# KiCad board bd845-pwb.kicad_pcb (continued)
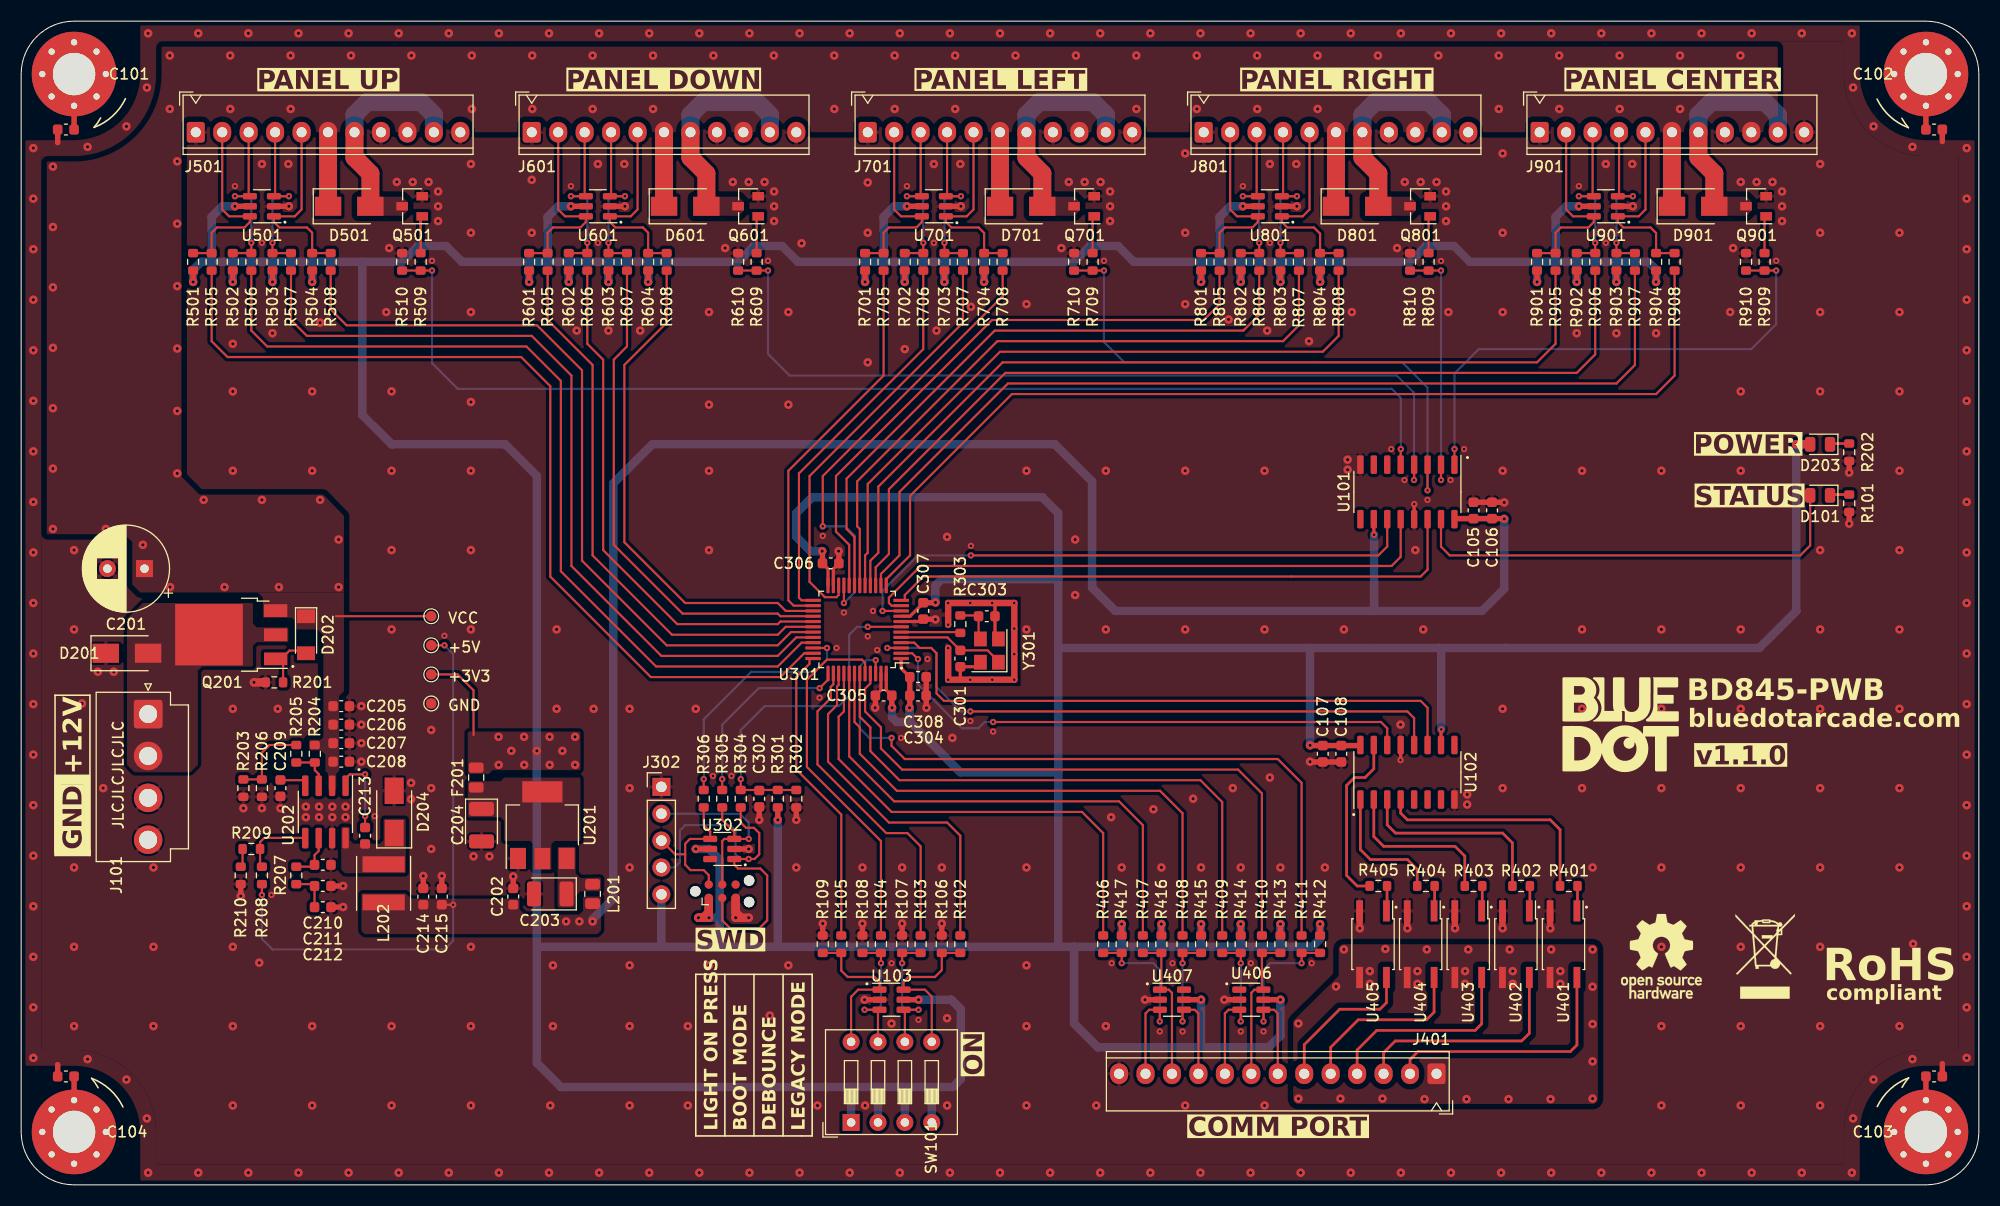
[diagram p0: board, top side]
## Nets
+3V3: C107.1 C108.1 C304.1 C305.1 C306.1 C307.1 C308.1 D203.2 F201.1 J301.1 J302.5 R301.1 R412.2 R413.2 R414.2 R415.2 R416.2 R417.2 R501.1 R502.1 R503.1 R504.1 R601.1 R602.1 R603.1 R604.1 R701.1 R702.1 R703.1 R704.1 R801.1 R802.1 R803.1 R804.1 R901.1 R902.1 R903.1 R904.1 SW101.1 SW101.2 SW101.3 SW101.4 TP203.1 U102.10 U102.16 U103.5 U301.1 U301.9 U301.24 U301.48 U302.5 U406.5 U407.5 U501.5 U601.5 U701.5 U801.5 U901.5
+5V: C105.1 C106.1 C202.1 C214.1 C215.1 L201.1 L202.2 R208.1 TP204.1 U101.10 U101.16
GND: C101.1 C102.1 C103.1 C104.1 C105.2 C106.2 C107.2 C108.2 C201.2 C202.2 C203.2 C204.2 C205.2 C206.2 C207.2 C208.2 C209.2 C210.2 C211.2 C212.2 C214.2 C215.2 C301.2 C302.2 C303.2 C304.2 C305.2 C306.2 C307.2 C308.2 D201.1 D204.2 J101.3 J101.4 J301.5 J302.1 J401.13 J501.1 J501.8 J501.11 J601.1 J601.8 J601.11 J701.1 J701.8 J701.11 J801.1 J801.8 J801.11 J901.1 J901.8 J901.11 Q501.2 Q601.2 Q701.2 Q801.2 Q901.2 R101.2 R106.2 R107.2 R108.2 R109.2 R201.2 R202.1 R203.2 R206.2 R210.2 R302.2 R510.1 R610.1 R710.1 R810.1 R910.1 TP202.1 U101.8 U101.13 U102.8 U102.13 U103.2 U201.1 U202.7 U301.8 U301.23 U301.47 U302.2 U401.2 U402.2 U403.2 U404.2 U405.2 U406.2 U407.2 U501.2 U601.2 U701.2 U801.2 U901.2 Y301.2 Y301.4
GND1: J401.1 U401.3 U402.3 U403.3 U404.3 U405.3
VCC: C201.1 C205.1 C206.1 C207.1 C208.1 D202.1 D501.1 D601.1 D701.1 D801.1 D901.1 J501.6 J501.9 J601.6 J601.9 J701.6 J701.9 J801.6 J801.9 J901.6 J901.9 Q201.3 R204.1 TP201.1 U202.2
/CH1_PAD: R401.1 U102.4
/CH1_S1: R505.1 U301.35
/CH1_S2: R506.1 U301.33
/CH1_S3: R507.1 U301.32
/CH1_S4: R508.1 U301.31
/CH2_PAD: R402.1 U102.3
/CH2_S1: R605.1 U301.30
/CH2_S2: R606.1 U301.29
/CH2_S3: R607.1 U301.28
/CH2_S4: R608.1 U301.27
/CH3_PAD: R403.1 U102.2
/CH3_S1: R705.1 U301.26
/CH3_S2: R706.1 U301.25
/CH3_S3: R707.1 U301.22
/CH3_S4: R708.1 U301.21
/CH4_PAD: R404.1 U102.1
/CH4_S1: R805.1 U301.20
/CH4_S2: R806.1 U301.19
/CH4_S3: R807.1 U301.18
/CH4_S4: R808.1 U301.17
/CH5_PAD: R405.1 U102.15
/CH5_S1: R905.1 U301.16
/CH5_S2: R906.1 U301.15
/CH5_S3: R907.1 U301.14
/CH5_S4: R908.1 U301.13
/Comm Channel/CH1_PAD_CONN: J401.2 U401.4
/Comm Channel/CH2_PAD_CONN: J401.3 U402.4
/Comm Channel/CH3_PAD_CONN: J401.4 U403.4
/Comm Channel/CH4_PAD_CONN: J401.5 U404.4
/Comm Channel/CH5_PAD_CONN: J401.6 U405.4
/Comm Channel/FL1_CONN: J401.7 R411.1 R412.1 U406.4
/Comm Channel/FL2_CONN: J401.8 R410.1 R413.1 U406.6
/Comm Channel/FL3_CONN: J401.9 R409.1 R414.1 U406.3
/Comm Channel/FL4_CONN: J401.10 R408.1 R415.1 U407.4
/Comm Channel/FL5_CONN: J401.11 R407.1 R416.1 U407.1
/Comm Channel/TEST_CONN: J401.12 R406.1 R417.1 U407.3
/COMM.FL1: R411.2 U301.46
/COMM.FL2: R410.2 U301.45
/COMM.FL3: R409.2 U301.43
/COMM.FL4: R408.2 U301.42
/COMM.FL5: R407.2 U301.41
/COMM.TEST: R406.2 U301.40
/LIGHT_CH1: R509.2 R510.2 U101.5
/LIGHT_CH2: R609.2 R610.2 U101.4
/LIGHT_CH3: R709.2 R710.2 U101.3
/LIGHT_CH4: R809.2 R810.2 U101.2
/LIGHT_CH5: R909.2 R910.2 U101.1
/LIGHTS_RCLK: U101.12 U301.11
/LIGHTS_SER: U101.14 U301.12
/LIGHTS_SRCLK: U101.11 U301.10
/MCU/CONN_NRST: J301.3 J302.4 R304.1 U302.1
/MCU/CONN_SWCLK: J301.4 J302.2 R305.1 U302.3
/MCU/CONN_SWDIO: J301.2 J302.3 R306.1 U302.4
/MCU/MCU_NRST: C302.1 R301.2 R302.1 R304.2 U301.7
/MCU/MCU_SWCLK: R305.2 U301.37
/MCU/MCU_SWDIO: R306.2 U301.34
/MCU/RCC_OSC_IN: C301.1 U301.5 Y301.1
/MCU/RCC_OSC_OUT: R303.1 U301.6
/OPT_BOOT0: R104.2 U301.44
/OPT_BOOT0_SW: R104.1 R108.1 SW101.7 U103.3
/OPT_DEBOUNCE: R103.2 U301.38
/OPT_DEBOUNCE_SW: R103.1 R107.1 SW101.6 U103.4
/OPT_LEGACY: R102.2 U301.39
/OPT_LEGACY_SW: R102.1 R106.1 SW101.5 U103.6
/OPT_LIGHT: R105.2 U301.36
/OPT_LIGHT_SW: R105.1 R109.1 SW101.8 U103.1
/Pad Channel 1/CH_LIGHT_CONN: D501.2 J501.7 J501.10 Q501.3
/Pad Channel 1/CH_S1_CONN: J501.2 R501.2 R505.2 U501.6
/Pad Channel 1/CH_S2_CONN: J501.3 R502.2 R506.2 U501.4
/Pad Channel 1/CH_S3_CONN: J501.4 R503.2 R507.2 U501.3
/Pad Channel 1/CH_S4_CONN: J501.5 R504.2 R508.2 U501.1
/Pad Channel 2/CH_LIGHT_CONN: D601.2 J601.7 J601.10 Q601.3
/Pad Channel 2/CH_S1_CONN: J601.2 R601.2 R605.2 U601.6
/Pad Channel 2/CH_S2_CONN: J601.3 R602.2 R606.2 U601.4
/Pad Channel 2/CH_S3_CONN: J601.4 R603.2 R607.2 U601.3
/Pad Channel 2/CH_S4_CONN: J601.5 R604.2 R608.2 U601.1
/Pad Channel 3/CH_LIGHT_CONN: D701.2 J701.7 J701.10 Q701.3
/Pad Channel 3/CH_S1_CONN: J701.2 R701.2 R705.2 U701.6
/Pad Channel 3/CH_S2_CONN: J701.3 R702.2 R706.2 U701.4
/Pad Channel 3/CH_S3_CONN: J701.4 R703.2 R707.2 U701.3
/Pad Channel 3/CH_S4_CONN: J701.5 R704.2 R708.2 U701.1
/Pad Channel 4/CH_LIGHT_CONN: D801.2 J801.7 J801.10 Q801.3
/Pad Channel 4/CH_S1_CONN: J801.2 R801.2 R805.2 U801.6
/Pad Channel 4/CH_S2_CONN: J801.3 R802.2 R806.2 U801.4
/Pad Channel 4/CH_S3_CONN: J801.4 R803.2 R807.2 U801.3
/Pad Channel 4/CH_S4_CONN: J801.5 R804.2 R808.2 U801.1
/Pad Channel 5/CH_LIGHT_CONN: D901.2 J901.7 J901.10 Q901.3
/Pad Channel 5/CH_S1_CONN: J901.2 R901.2 R905.2 U901.6
/Pad Channel 5/CH_S2_CONN: J901.3 R902.2 R906.2 U901.4
/Pad Channel 5/CH_S3_CONN: J901.4 R903.2 R907.2 U901.3
/Pad Channel 5/CH_S4_CONN: J901.5 R904.2 R908.2 U901.1
/PADS_RCLK: U102.12 U301.3
/PADS_SER: U102.14 U301.2
/PADS_SRCLK: U102.11 U301.4
/Power/BUCK_BOOT: C213.1 U202.1
/Power/BUCK_CP: C210.1 R207.1 U202.6
/Power/BUCK_EN: R204.2 R205.1 U202.3
/Power/BUCK_PH: C213.2 D204.1 L202.1 U202.8
/Power/BUCK_SS: C209.1 U202.4
/Power/BUCK_VSENSE: R208.2 R209.1 U202.5
/Power/EXT_VCC: D201.2 J101.1 J101.2 Q201.2
/Power/LDO_VI: C203.1 L201.2 U201.3
/Power/LDO_VO: C204.1 F201.2 U201.2
/Power/POWER_LED_K: D203.1 R202.2
/STATUS_LED_A: D101.2 U101.15
/STATUS_LED_K: D101.1 R101.1
Net-(C101-Pad2): C101.2 H101.1
Net-(C102-Pad2): C102.2 H102.1
Net-(C103-Pad2): C103.2 H103.1
Net-(C104-Pad2): C104.2 H104.1
Net-(C211-Pad1): C211.1 C212.1 R207.2
Net-(C303-Pad1): C303.1 R303.2 Y301.3
Net-(D202-A): D202.2 Q201.1 R201.1
Net-(Q501-G): Q501.1 R509.1
Net-(Q601-G): Q601.1 R609.1
Net-(Q701-G): Q701.1 R709.1
Net-(Q801-G): Q801.1 R809.1
Net-(Q901-G): Q901.1 R909.1
Net-(R203-Pad1): R203.1 R205.2 R206.1
Net-(R209-Pad2): R209.2 R210.1
Net-(R401-Pad2): R401.2 U401.1
Net-(R402-Pad2): R402.2 U402.1
Net-(R403-Pad2): R403.2 U403.1
Net-(R404-Pad2): R404.2 U404.1
Net-(R405-Pad2): R405.2 U405.1

Pads without a net: J301 6; U101 6 7 9; U102 5 6 7 9; U302 6; U406 1; U407 6

## Via types
v1: diameter 0.8, hole 0.3, F.Cu (Sig-Pwr-Gnd) to B.Cu  (Sig-Pwr-Gnd), 573 vias
v2: diameter 0.6, hole 0.25, F.Cu (Sig-Pwr-Gnd) to B.Cu  (Sig-Pwr-Gnd), 128 vias

## Routing (per net, layer and track width the routed paths; a pad name or vN(x,y) marks a point on that pad's centre or on a via; arc(x,y) is an arc through that point)
+3V3: length 811
  F.Cu (Sig-Pwr-Gnd) w0.203: TP203.1 41.25,48.25 42.75,46.75 42.75,42.5
  F.Cu (Sig-Pwr-Gnd) w0.3: U301.48 81.75,46.78 C305.1 ; C308.1 83.16,48.81 U301.1 ; C306.1 76.25,58.22 U301.24 ; U301.9 84,53.75 85.25,55 C307.1
  F.Cu (Sig-Pwr-Gnd) w0.305: U102.10 134.18,43.03 v2(134.2,43.05)
  F.Cu (Sig-Pwr-Gnd) w0.508: U103.5 v1(84.8,17.5) ; R801.1 v1(111.5,85.35) ; R904.1 v1(154.5,85.35) ; v1(75.7,59.9) 75.72,59.88 C306.1 ; v1(121.8,41.55) 121.82,41.53 C107.1 C108.1 126.5,41.53 U102.16 ; R804.1 v1(122.75,85.35) ; R601.1 v1(48,85.35) ; R503.1 v1(23.75,85.35) ; v1(83.95,45.1) 83.97,45.12 C304.1 C308.1 ; v1(86.4,55.05) 86.38,55.03 C307.1 ; U501.5 v1(20.2,92.5) ; R604.1 v1(59.25,85.35) ; R903.1 v1(150.75,85.35) ; R703.1 v1(87.25,85.35) ; R504.1 v1(27.5,85.35) ; R803.1 v1(119,85.35) ; R414.2 v1(115.25,24.65) ; R416.2 v1(107.75,24.65) ; R701.1 v1(79.75,85.35) ; R417.2 v1(104,24.65) ; R501.1 v1(16.25,85.35) ; U302.5 v1(63.75,31.75) ; R502.1 v1(20,85.35) ; R603.1 v1(55.5,85.35) ; R704.1 v1(91,85.35) ; R902.1 v1(147,85.35) ; R602.1 v1(51.75,85.35) ; U701.5 v1(83.7,92.5) ; R413.2 v1(119,24.65) ; C305.1 82.28,45.12 v1(82.3,45.1) ; U901.5 v1(147.2,92.5) ; R901.1 v1(143.25,85.35) ; R301.1 v1(71.5,34.5) ; U801.5 v1(115.45,92.5) ; R415.2 v1(111.5,24.65) ; U406.5 v1(119,17.5) ; R802.1 v1(115.25,85.35) ; U407.5 v1(111.5,17.5) ; U601.5 v1(51.95,92.5) ; R702.1 v1(83.5,85.35) ; R412.2 v1(122.75,24.65)
  F.Cu (Sig-Pwr-Gnd) w0.8: J301.1 64.98,26.25 ; 64.98,26.25 64.98,25.27 v1(65,25.25) v1(64,25.25) 64.45,25.25 64.98,25.78 64.98,26.25 ; D203.2 v1(167.75,70)
  B.Cu  (Sig-Pwr-Gnd) w0.8: 98,50.75 121.75,50.75 ; 98,50.75 98,57.25 ; 98,50.75 98,39 ; 121.75,50.75 134,50.75 ; 121.75,50.75 121.8,50.7 v1(121.8,41.55) ; 83.51,5.9 83.51,8.99 83.25,9.25 ; 150.75,87.25 v1(150.75,85.35) ; 150.75,87.25 153.75,87.25 154.5,86.5 v1(154.5,85.35) ; 150.75,87.25 147,87.25 ; 143.25,87.25 145,87.25 ; 143.25,87.25 136.9,87.25 135.4,88.75 132.75,88.75 131.25,87.25 122.8,87.25 ; 143.25,87.25 v1(143.25,85.35) ; 145,87.25 145,91.5 146,92.5 v1(147.2,92.5) ; 145,87.25 147,87.25 ; v1(75.7,59.9) 74.6,59.9 73.25,61.25 73.25,63.5 74.75,65 96.5,65 98,63.5 98,57.25 ; 18,87.25 17,87.25 16.25,86.5 v1(16.25,85.35) ; 18,87.25 20,87.25 ; 18,87.25 18,91.5 19,92.5 v1(20.2,92.5) ; 83.25,9.25 88.05,9.25 88.8,10 88.8,16.6 87.9,17.5 v1(84.8,17.5) ; 83.25,9.25 81,9.25 ; 23.75,87.25 27.5,87.25 ; 23.75,87.25 20,87.25 ; 23.75,87.25 v1(23.75,85.35) ; 27.5,87.25 v1(27.5,85.35) ; 27.5,87.25 32.25,87.25 ; 111.5,22.5 115.25,22.5 ; 111.5,22.5 107.75,22.5 ; 111.5,22.5 v1(111.5,24.65) ; 115.25,22.5 v1(115.25,24.65) ; 115.25,22.5 119,22.5 ; v1(119,24.65) 119,22.5 ; 119,22.5 122,22.5 122.75,23.25 v1(122.75,24.65) ; 147,87.25 v1(147,85.35) ; v1(51.75,85.35) 51.75,87 52,87.25 ; v1(119,17.5) 119,14.1 117.9,13 111.25,13 ; 107.75,22.5 104,22.5 ; 107.75,22.5 v1(107.75,24.65) ; v1(71.5,34.5) 71.5,22.5 ; 71.5,22.5 66,22.5 ; 71.5,22.5 98,22.5 ; 81.5,87.25 81.5,91.5 82.5,92.5 v1(83.7,92.5) ; 81.5,87.25 83.5,87.25 ; 81.5,87.25 79.75,87.25 ; 60.5,22.5 66,22.5 ; 60.5,22.5 J302.5 ; 60.5,22.5 48.75,22.5 ; 81,9.25 78.25,9.25 ; 81,9.25 80.97,9.22 80.97,5.9 ; 90.75,87.25 99.5,87.25 101,88.75 103.65,88.75 105.15,87.25 111.5,87.25 ; 90.75,87.25 87.25,87.25 ; 90.75,87.25 91,87 v1(91,85.35) ; 98,39 88.75,39 84,43.75 ; 98,39 98,22.5 ; 78.25,9.25 78.43,9.07 78.43,5.9 ; 78.25,9.25 51,9.25 48.73,11.52 v1(48.73,41.03) 48.73,67.02 45.75,70 35,70 32.25,72.75 32.25,87.25 ; 98,57.25 87,57.25 86.4,56.65 v1(86.4,55.05) ; 111.25,13 101.75,13 99.5,15.25 99.5,22.5 ; 111.25,13 111.5,13.25 v1(111.5,17.5) ; v1(104,24.65) 104,22.5 ; 104,22.5 99.5,22.5 ; v1(51.95,92.5) 50.75,92.5 49.75,91.5 49.75,87.25 ; 87.25,87.25 v1(87.25,85.35) ; 87.25,87.25 83.5,87.25 ; 32.25,87.25 36,87.25 37.5,88.75 40.15,88.75 41.65,87.25 48,87.25 ; v1(59.25,85.35) 59.25,87.25 ; 59.25,87.25 67.75,87.25 69.25,88.75 71.9,88.75 73.4,87.25 79.75,87.25 ; 59.25,87.25 55.5,87.25 ; 86.05,5.9 86.05,9.15 ; 134,50.75 164.25,50.75 167.75,54.25 v1(167.75,70) ; 134,50.75 134.2,50.55 v2(134.2,43.05) ; 83.5,87.25 v1(83.5,85.35) ; v1(83.95,45.1) 83.95,43.8 84,43.75 ; 52,87.25 55.5,87.25 ; 52,87.25 49.75,87.25 ; 55.5,87.25 v1(55.5,85.35) ; v1(20,85.35) 20,87.25 ; 99.5,22.5 98,22.5 ; v1(63.75,31.75) 65,31.75 66,30.75 66,25.25 ; 66,25.25 66,22.5 ; 66,25.25 v1(64,25.25) ; 84,43.75 82.75,43.75 82.3,44.2 v1(82.3,45.1) ; 119,87.25 122.8,87.25 ; 119,87.25 115.25,87.25 ; 119,87.25 v1(119,85.35) ; 122.8,87.25 122.75,87.2 v1(122.75,85.35) ; 65.25,25.25 v1(65,25.25) ; 48,87.25 49.75,87.25 ; 48,87.25 v1(48,85.35) ; v1(79.75,85.35) 79.75,87.25 ; v1(115.45,92.5) 114.25,92.5 113.25,91.5 113.25,87.25 ; 115.25,87.25 113.25,87.25 ; 115.25,87.25 v1(115.25,85.35) ; 111.5,87.25 v1(111.5,85.35) ; 111.5,87.25 113.25,87.25
  vias: v1(45.11,42.35) v1(45.12,39.7) v1(46.32,41.03) v1(47.53,42.35) v1(47.54,39.7) v1(49.94,42.35) v1(49.95,39.7) v1(51.14,41.03) v1(52.35,42.35) v1(52.35,39.7)
+5V: length 215.8
  F.Cu (Sig-Pwr-Gnd) w0.203: R208.1 v2(22.75,27.4) ; C215.1 v2(40.83,26.47) ; v2(40,51) TP204.1
  F.Cu (Sig-Pwr-Gnd) w0.305: U101.10 127.82,61.47 v2(127.85,61.45)
  F.Cu (Sig-Pwr-Gnd) w0.508: v1(140.15,62.95) 140.12,62.97 C106.1 C105.1 135.5,62.97 U101.16
  B.Cu  (Sig-Pwr-Gnd) w0.203: v2(40,51) 40.83,50.17 v2(40.83,26.47) 40.83,23.08 40,22.25 23.75,22.25 22.75,23.25 v2(22.75,27.4)
  B.Cu  (Sig-Pwr-Gnd) w0.8: v1(140.15,62.95) 140.15,56.35 138.05,54.25 127.85,54.25 ; 127.85,54.25 v2(127.85,61.45) ; 127.85,54.25 103.4,54.25 101.2,56.45 101.2,66.5 97.7,70 59.65,70 55.95,66.3 55.95,27.05 54,25.1 v1(54,24.9)
  vias: v1(51.5,24.9) v1(52.75,24.9)
GND: length 101.5
  F.Cu (Sig-Pwr-Gnd) w0.3: C306.2 76.75,58.22 U301.23 ; U301.8 85.03,53.25 C307.2 ; U301.47 81.25,46.78 C305.2
  F.Cu (Sig-Pwr-Gnd) w0.305: U101.13 131.63,64.33 v2(131.65,64.35) ; v2(130.35,40.15) 130.37,40.17 U102.13 ; 88.85,47.75 88.75,47.85 C301.2 90.22,48.97 Y301.4 ; 92.03,55 92.03,55 C303.2 92.03,51.92 Y301.2
  F.Cu (Sig-Pwr-Gnd) w0.508: U501.2 v1(25.3,92.5) ; v1(152.3,92.5) U901.2 ; C306.2 77.28,59.88 v1(77.25,59.9) ; v1(140.15,64.5) 140.12,64.53 C106.2 C105.2 ; U103.2 v1(79.7,17.5) ; C214.2 v1(38,29.2) ; C307.2 86.38,53.47 v1(86.4,53.45) ; v1(121.8,40) 121.82,39.97 C107.2 C108.2 ; C302.2 v1(69.75,34.5) ; C102.1 181.55,98.61 ; C305.2 80.72,45.12 v1(80.7,45.1) ; 3.45,11.35 3.45,11.35 C104.1 ; R106.2 v1(87,24.7) ; R107.2 v1(83.25,24.7) ; R108.2 v1(79.5,24.7) ; R210.2 v1(20.75,27.3) ; U302.2 v1(68.75,31.75) ; C308.2 C304.2 85.53,45.12 v1(85.55,45.1) ; R101.2 v1(172.75,62.5) ; C202.2 v1(46.5,29.15) ; C215.2 v1(39.75,29.2) ; 3.45,98.53 3.45,98.53 C101.1 ; C103.1 181.55,11.46 ; U407.2 v1(106.2,17.5) ; R109.2 v1(75.75,24.7) ; R202.1 v1(172.75,67.33) ; U406.2 v1(113.7,17.5) ; U701.2 v1(88.8,92.5) ; R302.2 v1(73.25,34.5) ; C212.2 30.42,26.25 v1(30.43,26.26) ; U801.2 v1(120.55,92.5) ; C211.2 v1(30.42,28.25) ; U601.2 v1(57.05,92.5)
  F.Cu (Sig-Pwr-Gnd) w0.6: U405.2 126.48,24.27 v1(126.5,24.25) ; v2(87.6,52.95) v2(87.6,55) v2(93.85,55) v2(93.85,47.75) v2(87.6,47.75) v2(87.6,50.75) ; U401.2 144.48,24.27 v1(144.5,24.25) ; v1(140,24.25) 139.98,24.27 U402.2 ; v1(131,24.25) 130.98,24.27 U404.2 ; U403.2 135.48,24.27 v1(135.5,24.25)
  F.Cu (Sig-Pwr-Gnd) w0.8: R201.2 v1(22,47.5) ; 68.05,25.25 67.52,25.78 J301.5 67.52,25.25 v1(67.53,25.25) v1(68.75,25.25)
  vias: v1(1.15,98) v1(1.15,93.22) v1(1.15,88.44) v1(1.15,83.67) v1(1.15,78.89) v1(1.15,74.11) v1(1.15,69.33) v1(1.15,64.56) v1(1.15,59.78) v1(1.15,55) v1(1.15,50.22) v1(1.15,45.44) v1(1.15,40.67) v1(1.15,35.89) v1(1.15,31.11) v1(1.15,26.33) v1(1.15,21.56) v1(1.15,16.78) v1(1.15,12) v1(5,60) v1(5,52.5) v1(5,30) v1(5,22.5) v1(5,15) v1(5.75,45.5) v1(6.27,98.12) v1(6.27,11.88) v1(7.25,48.5) v1(7.75,37.5) v1(8.75,48.5) v1(9.95,100.05) v1(9.95,9.95) v1(11.88,103.73) v1(11.88,6.27) v1(12,108.85) v1(12,1.15) v1(12.5,30) v1(12.5,22.5) v1(12.5,15) v1(16.74,108.85) v1(16.74,1.15) v1(20,79.5) v1(20,75) v1(20,67.5) v1(20,45) v1(20,22.5) v1(20,15) v1(20,7.5) v1(21,35.6) v1(21.47,108.85) v1(21.47,1.15) v1(22.5,21) v1(22.75,96.5) v1(22.75,35.6) v1(23.75,80.5) v1(24.25,45) v1(24.5,35.6) v1(25.25,96.5) v1(26.21,108.85) v1(26.21,1.15) v1(26.9,35.75) v1(26.9,34.75) v1(27.5,75) v1(27.5,67.5) v1(27.5,15) v1(27.5,7.5) v1(28.25,81.5) v1(28.15,35.75) v1(28.15,34.75) v1(29.4,35.75) v1(29.4,34.75) v1(30.65,35.75) v1(30.65,34.75) v1(30.94,108.85) v1(30.94,1.15) v1(32.15,45.25) v1(32.15,43.5) v1(32.15,41.75) v1(32.15,40) v1(34.5,82.5) v1(34.78,88.55) v1(35,75) v1(35,67.5) v1(35,60) v1(35,52.5) v1(35,15) v1(35,7.5) v1(35.5,94.8) v1(35.68,108.85) v1(35.68,1.15) v1(36.85,38) v1(36.85,36.45) v1(37,94.8) v1(38.5,94.8) v1(38.75,43) v1(38.75,37.5) v1(38.75,31.75) v1(39.4,93.9) v1(39.4,92.5) v1(39.4,91.1) v1(40.41,108.85) v1(40.41,1.15) v1(42.5,96.5) v1(42.5,90) v1(42.5,82.5) v1(42.5,74) v1(42.5,67.5) v1(42.5,60) v1(42.5,52.5) v1(42.5,22.5) v1(42.5,15) v1(42.5,7.5) v1(42.75,31.05) v1(44.25,31.05) v1(45.15,108.85) v1(45.15,1.15) v1(48.25,95) v1(48.25,90) v1(49.88,108.85) v1(49.88,1.15) v1(50,7.5) v1(50.25,20.75) v1(50.25,15) v1(50.6,52.5) v1(50.6,45) v1(52.5,80.75) v1(54.1,45) v1(54.5,96.5) v1(54.62,108.85) v1(54.62,1.15) v1(55.5,80.75) v1(57,96.5) v1(57.5,45) v1(57.5,37.5) v1(57.5,30) v1(57.5,20.75) v1(57.5,15) v1(57.5,7.5) v1(58.5,80.75) v1(59.35,108.85) v1(59.35,1.15) v1(63,15) v1(63,7.5) v1(63.75,45) v1(64.09,108.85) v1(64.09,1.15) v1(65,82.5) v1(65,73.75) v1(65,67.5) v1(65,60) v1(65,20.75) v1(66.53,88.55) v1(67.25,94.8) v1(68.82,108.85) v1(68.75,94.8) v1(68.82,1.15) v1(70.25,94.8) v1(70.75,16) v1(71.15,93.9) v1(71.15,92.5) v1(71.15,91.1) v1(72.5,82.5) v1(72.5,73.75) v1(72.5,20.75) v1(73.25,30) v1(73.56,108.85) v1(73.56,1.15) v1(73.75,89) v1(75.25,7.5) v1(78.29,108.85) v1(78.29,1.15) v1(79.5,30) v1(79.75,7.5) v1(80,94.75) v1(80,90) v1(80,77.75) v1(82.25,15.25) v1(83.03,108.85) v1(83.03,1.15) v1(83.25,30) v1(83.5,79) v1(86.25,96.5) v1(86.5,80.75) v1(87,30) v1(87.5,61.25) v1(87.5,15.75) v1(87.5,7.5) v1(87.76,108.85) v1(87.76,1.15) v1(88,42.25) v1(88.75,96.5) v1(89.75,83) v1(92.5,108.85) v1(92.5,1.15) v1(95,83.25) v1(95,67.5) v1(95,52.5) v1(95,30) v1(95,20.75) v1(95,15) v1(95,7.5) v1(97.24,108.85) v1(97.24,1.15) v1(98.3,88.55) v1(99,94.8) v1(99.6,61) v1(99.6,55.75) v1(100.5,94.8) v1(101.6,7.5) v1(101.97,108.85) v1(102,94.8) v1(101.97,1.15) v1(102.5,67.5) v1(102.5,52.5) v1(102.5,15) v1(102.9,93.9) v1(102.9,92.5) v1(102.9,91.1) v1(103,34.75) v1(104,30) v1(106.71,108.85) v1(106.71,1.15) v1(107,35.5) v1(107.75,30) v1(110,97.5) v1(110,90) v1(110,83.25) v1(110,67.5) v1(110,52.5) v1(110,7.5) v1(110.75,36.5) v1(111.44,108.85) v1(111.44,1.15) v1(111.5,30) v1(114.1,81.8) v1(114.5,37.5) v1(115.25,30) v1(116.18,108.85) v1(116.18,1.15) v1(117.5,67.5) v1(117.5,52.5) v1(117.5,7.5) v1(117.75,80.75) v1(118,96.5) v1(118,38.5) v1(119,30) v1(120.5,96.5) v1(120.91,108.85) v1(120.91,1.15) v1(121.7,79.75) v1(123.2,30) v1(125,52.5) v1(125.35,68.55) v1(125.35,67.6) v1(125.65,108.85) v1(125.65,1.15) v1(125.75,82.5) v1(130.03,88.55) v1(130.35,43.5) v1(130.38,108.85) v1(130.38,1.15) v1(130.75,94.8) v1(131.75,60) v1(132.25,94.8) v1(132.5,52.5) v1(133.75,94.8) v1(134.65,93.9) v1(134.65,92.5) v1(134.65,91.1) v1(134.88,82.5) v1(135.12,108.85) v1(135.12,1.15) v1(136.65,36.9) v1(136.65,35.95) v1(139.85,108.85) v1(139.85,1.15) v1(140,97.5) v1(140,90) v1(140,82.5) v1(140,67.5) v1(140,45) v1(140,37.5) v1(144.59,108.85) v1(144.59,1.15) v1(147,80.5) v1(147.5,67.5) v1(147.5,52.5) v1(147.5,45) v1(147.5,37.5) v1(148.5,30) v1(149.32,108.85) v1(149.32,1.15) v1(149.75,96.5) v1(150.75,80.5) v1(152.25,96.5) v1(154.06,108.85) v1(154.06,1.15) v1(154.5,80.5) v1(155,67.5) v1(155,52.5) v1(155,45) v1(155,37.5) v1(155,30) v1(155,22.5) v1(155,15) v1(155,7.5) v1(158.79,108.85) v1(158.79,1.15) v1(161.5,82.5) v1(161.78,88.55) v1(162.5,94.8) v1(162.5,75) v1(162.5,67.5) v1(162.5,52.5) v1(162.5,45) v1(162.5,37.5) v1(162.5,30) v1(162.5,22.5) v1(162.5,15) v1(162.5,7.5) v1(163.53,108.85) v1(163.53,1.15) v1(164,94.8) v1(165.5,94.8) v1(166.4,93.9) v1(166.4,92.5) v1(166.4,91.1) v1(168.26,108.85) v1(168.26,1.15) v1(170,96.5) v1(170,90) v1(170,82.5) v1(170,75) v1(170,60) v1(170,52.5) v1(170,45) v1(170,37.5) v1(170,30) v1(170,22.5) v1(170,15) v1(170,7.5) v1(173,108.85) v1(173,1.15) v1(173.12,103.73) v1(173.12,6.27) v1(175.05,100.05) v1(175.05,9.95) v1(177.5,90) v1(177.5,82.5) v1(177.5,75) v1(177.5,67.5) v1(177.5,60) v1(177.5,52.5) v1(177.5,45) v1(177.5,37.5) v1(177.5,30) v1(177.5,15) v1(178.73,98.12) v1(178.73,11.88) v1(178.79,22.78) v1(183.85,98) v1(183.85,93.22) v1(183.85,88.44) v1(183.85,83.67) v1(183.85,78.89) v1(183.85,74.11) v1(183.85,69.33) v1(183.85,64.56) v1(183.85,59.78) v1(183.85,55) v1(183.85,50.22) v1(183.85,45.44) v1(183.85,40.67) v1(183.85,35.89) v1(183.85,31.11) v1(183.85,26.33) v1(183.85,21.56) v1(183.85,16.78) v1(183.85,12) v2(20.2,94.4) v2(22.75,89.05) v2(23.65,27.4) v2(33.4,34.85) v2(38.83,87.35) v2(40,51.9) v2(51.95,94.4) v2(54.5,89.05) v2(65.38,38.65) v2(67.12,38.65) v2(70.58,87.35) v2(75.45,46.05) v2(75.75,61.35) v2(77.05,50.75) v2(77.75,54.1) v2(80,51.85) v2(80.5,54.25) v2(80.9,50.55) v2(82.25,20.95) v2(83.15,42.25) v2(83.7,94.4) v2(84.8,15.6) v2(85.65,49.7) v2(86.25,89.05) v2(89.68,55) v2(89.68,47.75) v2(89.7,43.85) v2(89.75,60.4) v2(91.77,55) v2(91.77,47.75) v2(91.85,42.85) v2(93.85,52.58) v2(93.85,50.17) v2(102.32,87.35) v2(103.05,20.95) v2(107.6,14.5) v2(108.8,20.95) v2(109.75,14.5) v2(115.25,14.5) v2(115.45,94.4) v2(116.2,20.95) v2(117.4,14.5) v2(118,89.05) v2(121.95,20.95) v2(129.47,69.55) v2(130.72,66.62) v2(132.9,64.75) v2(134.18,87.33) v2(135.07,66.62) v2(136.35,69.55) v2(147.2,94.4) v2(149.75,89.05) v2(165.85,87.35)
GND1:
  vias: v1(120.7,15.25) v1(120.7,8.15) v1(124.25,18.75) v1(124.67,8.15) v1(125,22.25) v1(127.45,20.2) v1(127.45,19) v1(128.64,8.15) v1(128.92,22.3) v1(131.95,20.2) v1(131.95,19) v1(132.61,8.1) v1(132.83,22.25) v1(136.45,20.2) v1(136.45,19) v1(136.59,8.1) v1(136.75,22.25) v1(140.56,8.1) v1(140.67,22.25) v1(140.95,20.2) v1(140.95,19) v1(144.53,8.1) v1(144.58,22.25) v1(145.45,20.2) v1(145.45,19) v1(148.5,22.25) v1(148.5,18.72) v1(148.5,15.2) v1(148.5,11.68) v1(148.5,8.15)
VCC: length 44
  F.Cu (Sig-Pwr-Gnd) w0.203: TP201.1 29.75,53.75
  F.Cu (Sig-Pwr-Gnd) w1.7: J701.6 D701.1 ; J601.6 D601.1 ; J801.6 D801.1 ; J501.6 D501.1 ; J901.6 D901.1
  vias: v1(3,96.25) v1(3,90.54) v1(3,84.83) v1(3,79.13) v1(3,73.42) v1(3,67.71) v1(3,62) v1(8,62) v1(11.5,60.5) v1(14.04,106.75) v1(14.05,101.7) v1(14.07,56.5) v1(14.75,96.75) v1(14.75,90.85) v1(14.75,84.95) v1(14.75,79.05) v1(14.75,73.15) v1(14.75,67.25) v1(17.25,64.75) v1(19.21,56.5) v1(19.75,106.75) v1(19.76,101.7) v1(22.75,64.75) v1(24.36,56.5) v1(25.46,106.75) v1(25.47,101.7) v1(28.25,64.75) v1(30,61) v1(30,56.5) v1(31.17,106.75) v1(36.87,106.75) v1(42.58,106.75) v1(42.59,101.7) v1(48.29,106.75) v1(48.3,101.7) v1(54,106.75) v1(54.01,101.7) v1(59.71,106.75) v1(59.72,101.7) v1(65.42,106.75) v1(71.12,106.75) v1(76.83,106.75) v1(76.84,101.7) v1(82.54,106.75) v1(82.55,101.7) v1(88.26,106.75) v1(88.27,101.7) v1(93.97,106.75) v1(99.67,106.75) v1(105.38,106.75) v1(105.39,101.7) v1(111.09,106.75) v1(111.1,101.7) v1(116.8,106.75) v1(116.81,101.7) v1(122.51,106.75) v1(122.52,101.7) v1(128.22,106.75) v1(133.92,106.75) v1(139.63,106.75) v1(139.64,101.7) v1(145.34,106.75) v1(145.35,101.7) v1(151.05,106.75) v1(151.06,101.7) v1(156.76,106.75) v1(156.77,101.7) v1(162.47,106.75)
/CH1_PAD: length 22.3
  F.Cu (Sig-Pwr-Gnd) w0.254: R401.1 145.43,33.58 144.5,34.5 131,34.5 130.37,35.14 U102.4
/CH1_S1: length 88.1
  F.Cu (Sig-Pwr-Gnd) w0.203: U301.35 74,50.25 71.75,48 59.5,48 50,57.5 50,75.5 47.25,78.25 19.5,78.25 18,79.75 R505.1
/CH1_S2: length 83.4
  F.Cu (Sig-Pwr-Gnd) w0.203: R506.1 21.75,80.75 23.25,79.25 47.75,79.25 51,76 51,58 60,49 71.5,49 73.75,51.25 U301.33
/CH1_S3: length 78.4
  F.Cu (Sig-Pwr-Gnd) w0.203: R507.1 25.5,81.75 27,80.25 48.25,80.25 52,76.5 52,58.5 60.5,50 71.5,50 73.25,51.75 U301.32
/CH1_S4: length 73.5
  F.Cu (Sig-Pwr-Gnd) w0.203: U301.31 72.75,52.25 71.5,51 61,51 53,59 53,77 48.75,81.25 30.75,81.25 29.25,82.75 R508.1
/CH2_PAD: length 19
  F.Cu (Sig-Pwr-Gnd) w0.254: R402.1 140.93,32.33 140,33.25 129.88,33.25 129.09,34.03 U102.3
/CH2_S1: length 52.9
  F.Cu (Sig-Pwr-Gnd) w0.203: R605.1 49.75,81.75 54,77.5 54,59.5 61.5,52 71.5,52 72.25,52.75 U301.30
/CH2_S2: length 49.9
  F.Cu (Sig-Pwr-Gnd) w0.203: U301.29 71.75,53.25 71.5,53 62,53 55,60 55,78 53.5,79.5 R606.1
/CH2_S3: length 48.1
  F.Cu (Sig-Pwr-Gnd) w0.203: R607.1 57.25,79.25 56,78 56,60.5 62.5,54 71.5,54 71.75,53.75 U301.28
/CH2_S4: length 47.9
  F.Cu (Sig-Pwr-Gnd) w0.203: R608.1 61,81.5 57,77.5 57,60.75 62.75,55 71.5,55 72.25,54.25 U301.27
/CH3_PAD: length 15.7
  F.Cu (Sig-Pwr-Gnd) w0.254: R403.1 136.43,31.08 135.5,32 128.75,32 127.82,32.92 U102.2
/CH3_S1: length 37.4
  F.Cu (Sig-Pwr-Gnd) w0.203: U301.26 73,54.75 72.5,55.25 72.5,67.5 81.5,76.5 R705.1
/CH3_S2: length 37.2
  F.Cu (Sig-Pwr-Gnd) w0.203: R706.1 85.25,79 73.5,67.25 73.5,55.5 73.75,55.25 U301.25
/CH3_S3: length 39.8
  F.Cu (Sig-Pwr-Gnd) w0.203: U301.22 77.25,55.75 77.05,55.55 75.95,55.55 74.5,57 74.5,67 89,81.5 R707.1
/CH3_S4: length 43
  F.Cu (Sig-Pwr-Gnd) w0.203: v2(75.75,62.25) 75.75,67 92.75,84 R708.1 ; U301.21 v2(77.75,55)
  B.Cu  (Sig-Pwr-Gnd) w0.203: v2(77.75,55) 78.75,56 78.75,61.38 77.88,62.25 v2(75.75,62.25)
/CH4_PAD: length 12.4
  F.Cu (Sig-Pwr-Gnd) w0.254: U102.1 126.56,31.69 127.5,30.75 131,30.75 131.93,29.83 R404.1
/CH4_S1: length 57
  F.Cu (Sig-Pwr-Gnd) w0.203: R805.1 113.25,83.25 111.75,81.75 91.75,81.75 77,67 77,61.75 78.25,60.5 U301.20
/CH4_S2: length 60
  F.Cu (Sig-Pwr-Gnd) w0.203: U301.19 78.75,61.25 78,62 78,66.75 92,80.75 115.5,80.75 117,82.25 R806.1
/CH4_S3: length 63
  F.Cu (Sig-Pwr-Gnd) w0.203: R807.1 120.75,81.25 119.25,79.75 92.25,79.75 79,66.5 79,62.25 79.25,62 U301.18
/CH4_S4: length 66.2
  F.Cu (Sig-Pwr-Gnd) w0.203: U301.17 79.75,59.5 80,59.75 80,66.25 92.5,78.75 123,78.75 124.5,80.25 R808.1
/CH5_PAD: length 16.6
  F.Cu (Sig-Pwr-Gnd) w0.254: R405.1 126.25,28.25 125.25,29.25 125.25,37.75 126,38.5 127,38.5 127.82,39.33 U102.15
/CH5_S1: length 86.2
  F.Cu (Sig-Pwr-Gnd) w0.203: U301.16 80.25,59 81,59.75 81,66 92.75,77.75 143.25,77.75 145,79.5 R905.1
/CH5_S2: length 89.6
  F.Cu (Sig-Pwr-Gnd) w0.203: U301.15 80.75,58.38 82,59.62 82,65.75 93,76.75 147,76.75 148.75,78.5 R906.1
/CH5_S3: length 93
  F.Cu (Sig-Pwr-Gnd) w0.203: U301.14 81.25,57.75 83,59.5 83,65.5 93.25,75.75 150.75,75.75 152.5,77.5 R907.1
/CH5_S4: length 96.3
  F.Cu (Sig-Pwr-Gnd) w0.203: U301.13 81.75,57.25 84,59.5 84,65.12 93.62,74.75 154.5,74.75 156.25,76.5 R908.1
/Comm Channel/CH1_PAD_CONN: length 24.1
  F.Cu (Sig-Pwr-Gnd) w0.254: U401.4 147.02,13.22 146.4,12.6 132,12.6 131.25,11.85 J401.2
/Comm Channel/CH2_PAD_CONN: length 21.8
  F.Cu (Sig-Pwr-Gnd) w0.254: U402.4 142.52,14.32 141.8,13.6 129.85,13.6 128.75,12.5 J401.3
/Comm Channel/CH3_PAD_CONN: length 19.4
  F.Cu (Sig-Pwr-Gnd) w0.254: J401.4 126.25,12.75 128.1,14.6 137.4,14.6 138.02,15.22 U403.4
/Comm Channel/CH4_PAD_CONN: length 16.9
  F.Cu (Sig-Pwr-Gnd) w0.254: J401.5 123.75,13 126.35,15.6 132.8,15.6 133.52,16.32 U404.4
/Comm Channel/CH5_PAD_CONN: length 14.5
  F.Cu (Sig-Pwr-Gnd) w0.254: U405.4 129.02,17.22 128.4,16.6 124.6,16.6 121.25,13.25 J401.6
/Comm Channel/FL1_CONN: length 19.8
  F.Cu (Sig-Pwr-Gnd) w0.203: v2(117.4,15.45) 117.4,16.54 U406.4 118.4,16.55 118.75,16.2 J401.7 ; v2(121,20.95) R411.1 R412.1
  B.Cu  (Sig-Pwr-Gnd) w0.203: v2(121,20.95) 118,20.95 117.4,20.35 v2(117.4,15.45)
/Comm Channel/FL2_CONN: length 14.2
  F.Cu (Sig-Pwr-Gnd) w0.203: J401.8 116.25,18.15 116.55,18.45 U406.6 117.25,18.59 R410.1 R413.1
/Comm Channel/FL3_CONN: length 16.6
  F.Cu (Sig-Pwr-Gnd) w0.203: R409.1 R414.1 v2(115.25,20.95) ; J401.9 113.75,16.2 114.1,16.55 U406.3 115.25,16.41 v2(115.25,15.45)
  B.Cu  (Sig-Pwr-Gnd) w0.203: v2(115.25,20.95) v2(115.25,15.45)
/Comm Channel/FL4_CONN: length 16.6
  F.Cu (Sig-Pwr-Gnd) w0.203: J401.10 111.25,16.2 110.9,16.55 U407.4 109.75,16.41 v2(109.75,15.45) ; v2(109.75,20.95) R408.1 R415.1
  B.Cu  (Sig-Pwr-Gnd) w0.203: v2(109.75,15.45) v2(109.75,20.95)
/Comm Channel/FL5_CONN: length 14.2
  F.Cu (Sig-Pwr-Gnd) w0.203: J401.11 108.75,18.15 108.45,18.45 U407.1 107.75,18.59 R416.1 R407.1
/Comm Channel/TEST_CONN: length 19.8
  F.Cu (Sig-Pwr-Gnd) w0.203: J401.12 106.25,16.2 106.6,16.55 U407.3 107.6,16.54 v2(107.6,15.45) ; v2(104,20.95) R417.1 R406.1
  B.Cu  (Sig-Pwr-Gnd) w0.203: v2(104,20.95) 107,20.95 107.6,20.35 v2(107.6,15.45)
/COMM.FL1: length 67.6
  F.Cu (Sig-Pwr-Gnd) w0.203: U301.46 v2(80.75,49.6) ; v2(82.25,42.25) 82.25,41.5 83.5,40.25 118.75,40.25 121,38 R411.2
  B.Cu  (Sig-Pwr-Gnd) w0.203: v2(80.75,49.6) 79.85,49.6 79.25,49 79.25,43.15 80.15,42.25 v2(82.25,42.25)
/COMM.FL2: length 59.1
  F.Cu (Sig-Pwr-Gnd) w0.203: R410.2 117.25,37 115,39.25 83.25,39.25 81.25,41.25 81.25,43.25 79.75,44.75 79.75,46.9 80.25,47.4 U301.45
/COMM.FL3: length 55.6
  F.Cu (Sig-Pwr-Gnd) w0.203: R409.2 113.5,36.19 111.44,38.25 83,38.25 80.25,41 80.25,43.25 79.25,44.25 U301.43
/COMM.FL4: length 52.2
  F.Cu (Sig-Pwr-Gnd) w0.203: U301.42 78.75,43.75 79.25,43.25 79.25,40.75 82.75,37.25 107.62,37.25 109.75,35.12 R408.2
/COMM.FL5: length 48.7
  F.Cu (Sig-Pwr-Gnd) w0.203: R407.2 106,34 103.75,36.25 82.5,36.25 78.25,40.5 U301.41
/COMM.TEST: length 45.9
  F.Cu (Sig-Pwr-Gnd) w0.203: U301.40 77.75,44.75 77.25,44.25 77.25,40.25 82.25,35.25 100.25,35.25 102.25,33.25 R406.2
/LIGHT_CH1: length 110.8
  F.Cu (Sig-Pwr-Gnd) w0.203: R510.2 R509.2 v2(38.83,86.42) ; U101.5 130.37,69.54 v2(130.38,69.55)
  B.Cu  (Sig-Pwr-Gnd) w0.203: v2(130.38,69.55) 130.38,74.38 129.5,75.25 41.25,75.25 38.83,77.67 v2(38.83,86.42)
/LIGHT_CH2: length 83
  F.Cu (Sig-Pwr-Gnd) w0.203: U101.4 131.63,66.64 v2(131.62,66.62) ; R610.2 R609.2 v2(70.58,86.42)
  B.Cu  (Sig-Pwr-Gnd) w0.203: v2(70.58,86.42) 70.58,78.55 72.62,76.5 130,76.5 131.62,74.88 v2(131.62,66.62)
/LIGHT_CH3: length 54.1
  F.Cu (Sig-Pwr-Gnd) w0.203: v2(132.9,65.65) 132.91,65.66 U101.3 ; v2(102.32,86.42) R709.2 R710.2
  B.Cu  (Sig-Pwr-Gnd) w0.203: v2(132.9,65.65) 132.9,75.35 130.5,77.75 104.25,77.75 102.32,79.67 v2(102.32,86.42)
/LIGHT_CH4: length 24.2
  F.Cu (Sig-Pwr-Gnd) w0.203: R810.2 R809.2 v2(134.18,86.42) ; U101.2 v2(134.18,66.62)
  B.Cu  (Sig-Pwr-Gnd) w0.203: v2(134.18,66.62) v2(134.18,86.42)
/LIGHT_CH5: length 48.9
  F.Cu (Sig-Pwr-Gnd) w0.203: v2(135.45,69.55) 135.44,69.55 U101.1 ; R910.2 R909.2 v2(165.85,86.42)
  B.Cu  (Sig-Pwr-Gnd) w0.203: v2(135.45,69.55) 135.45,76.7 137.75,79 163.5,79 165.85,81.35 v2(165.85,86.42)
/LIGHTS_RCLK: length 55.3
  F.Cu (Sig-Pwr-Gnd) w0.203: U301.11 82.25,54.75 82,55 82,55.5 85,58.5 129.5,58.5 130.37,59.36 U101.12
/LIGHTS_SER: length 55.7
  F.Cu (Sig-Pwr-Gnd) w0.203: U101.14 132.91,58.16 132.25,57.5 85.25,57.5 83.5,55.75 83.5,55.25
/LIGHTS_SRCLK: length 55.7
  F.Cu (Sig-Pwr-Gnd) w0.203: U101.11 129.09,60.34 128.25,59.5 v2(89.75,59.5) ; U301.10 v2(81.4,54.25)
  B.Cu  (Sig-Pwr-Gnd) w0.203: v2(81.4,54.25) 81.4,56.15 84.75,59.5 v2(89.75,59.5)
/MCU/CONN_NRST: length 37.8
  F.Cu (Sig-Pwr-Gnd) w0.203: R304.1 68,34.25 68.5,33.75 69.25,33.75 69.75,33.25 69.75,31.25 69.3,30.8 v2(68.75,30.8) U302.1 67.39,30.26 67.75,29.9 69.85,29.9 70.5,29.25 70.5,25 69.75,24.25 67,24.25 66.25,25 J301.3
  B.Cu  (Sig-Pwr-Gnd) w0.203: J302.4 61.75,30 62.25,30.5 62.25,33.5 62.75,34 67,34 67.5,33.5 67.5,31.25 67.95,30.8 v2(68.75,30.8)
/MCU/CONN_SWCLK: length 20.3
  F.Cu (Sig-Pwr-Gnd) w0.203: U302.3 67.39,33.36 66.25,34.5 R305.1 ; U302.3 66.45,32.7 66.25,32.5 J301.4 ; U302.3 v2(68.75,32.7)
  B.Cu  (Sig-Pwr-Gnd) w0.203: J302.2 67.92,35.08 68.75,34.25 v2(68.75,32.7)
/MCU/CONN_SWDIO: length 14.1
  F.Cu (Sig-Pwr-Gnd) w0.203: 62.75,31.25 62.75,32.25 63.2,32.7 U302.4 65.11,33.39 64.5,34 R306.1 ; 62.75,31.25 61.79,31.25 J302.3 ; 62.75,31.25 62.75,30.25 63.25,29.75 64.5,29.75 64.98,29.27 J301.2
/MCU/MCU_NRST: length 33.5
  F.Cu (Sig-Pwr-Gnd) w0.203: U301.7 v2(80,52.75) ; R302.1 R304.2 v2(68,38.35)
  B.Cu  (Sig-Pwr-Gnd) w0.203: v2(80,52.75) 79,52.75 78.25,52 78.25,46.25 77.25,45.25 70.25,45.25 68,43 v2(68,38.35)
/MCU/MCU_SWCLK: length 18.5
  F.Cu (Sig-Pwr-Gnd) w0.203: v2(75.45,46.95) 76.25,47.75 U301.37 ; R305.2 v2(66.25,38.35)
  B.Cu  (Sig-Pwr-Gnd) w0.203: v2(75.45,46.95) 69.7,46.95 66.25,43.5 v2(66.25,38.35)
